# KiCad board helios-panel.kicad_pcb
title: Helios; date: 2023-08-03; rev: rev1.0; company: 0xCB; note: Conor Burns
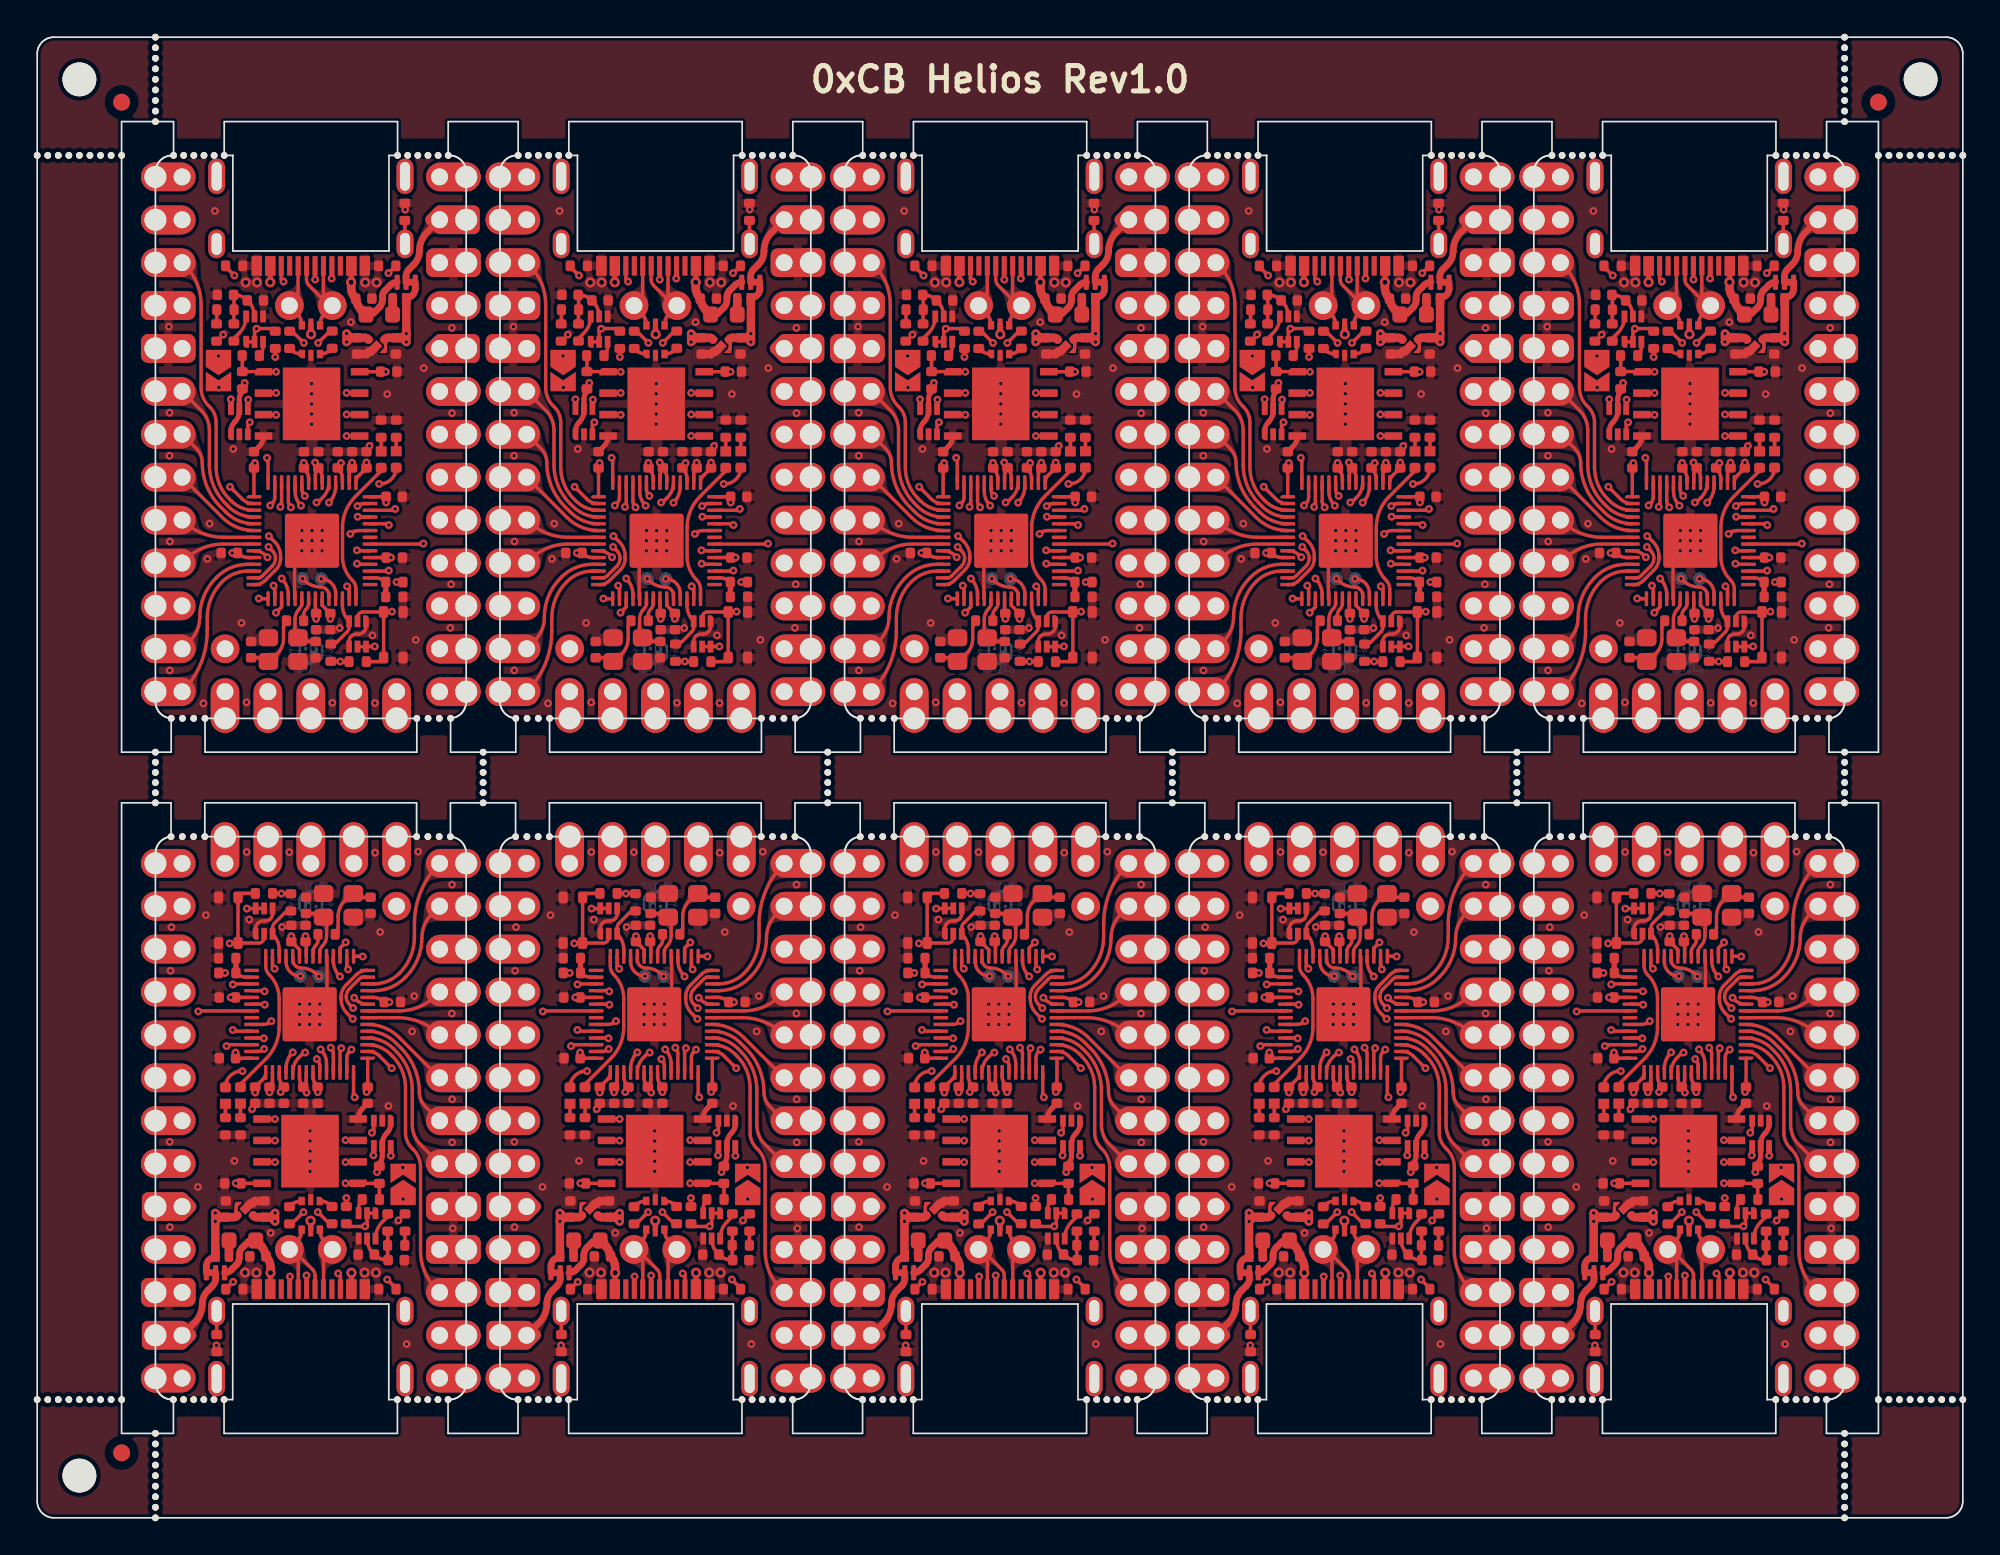
[diagram p0: board, top side]
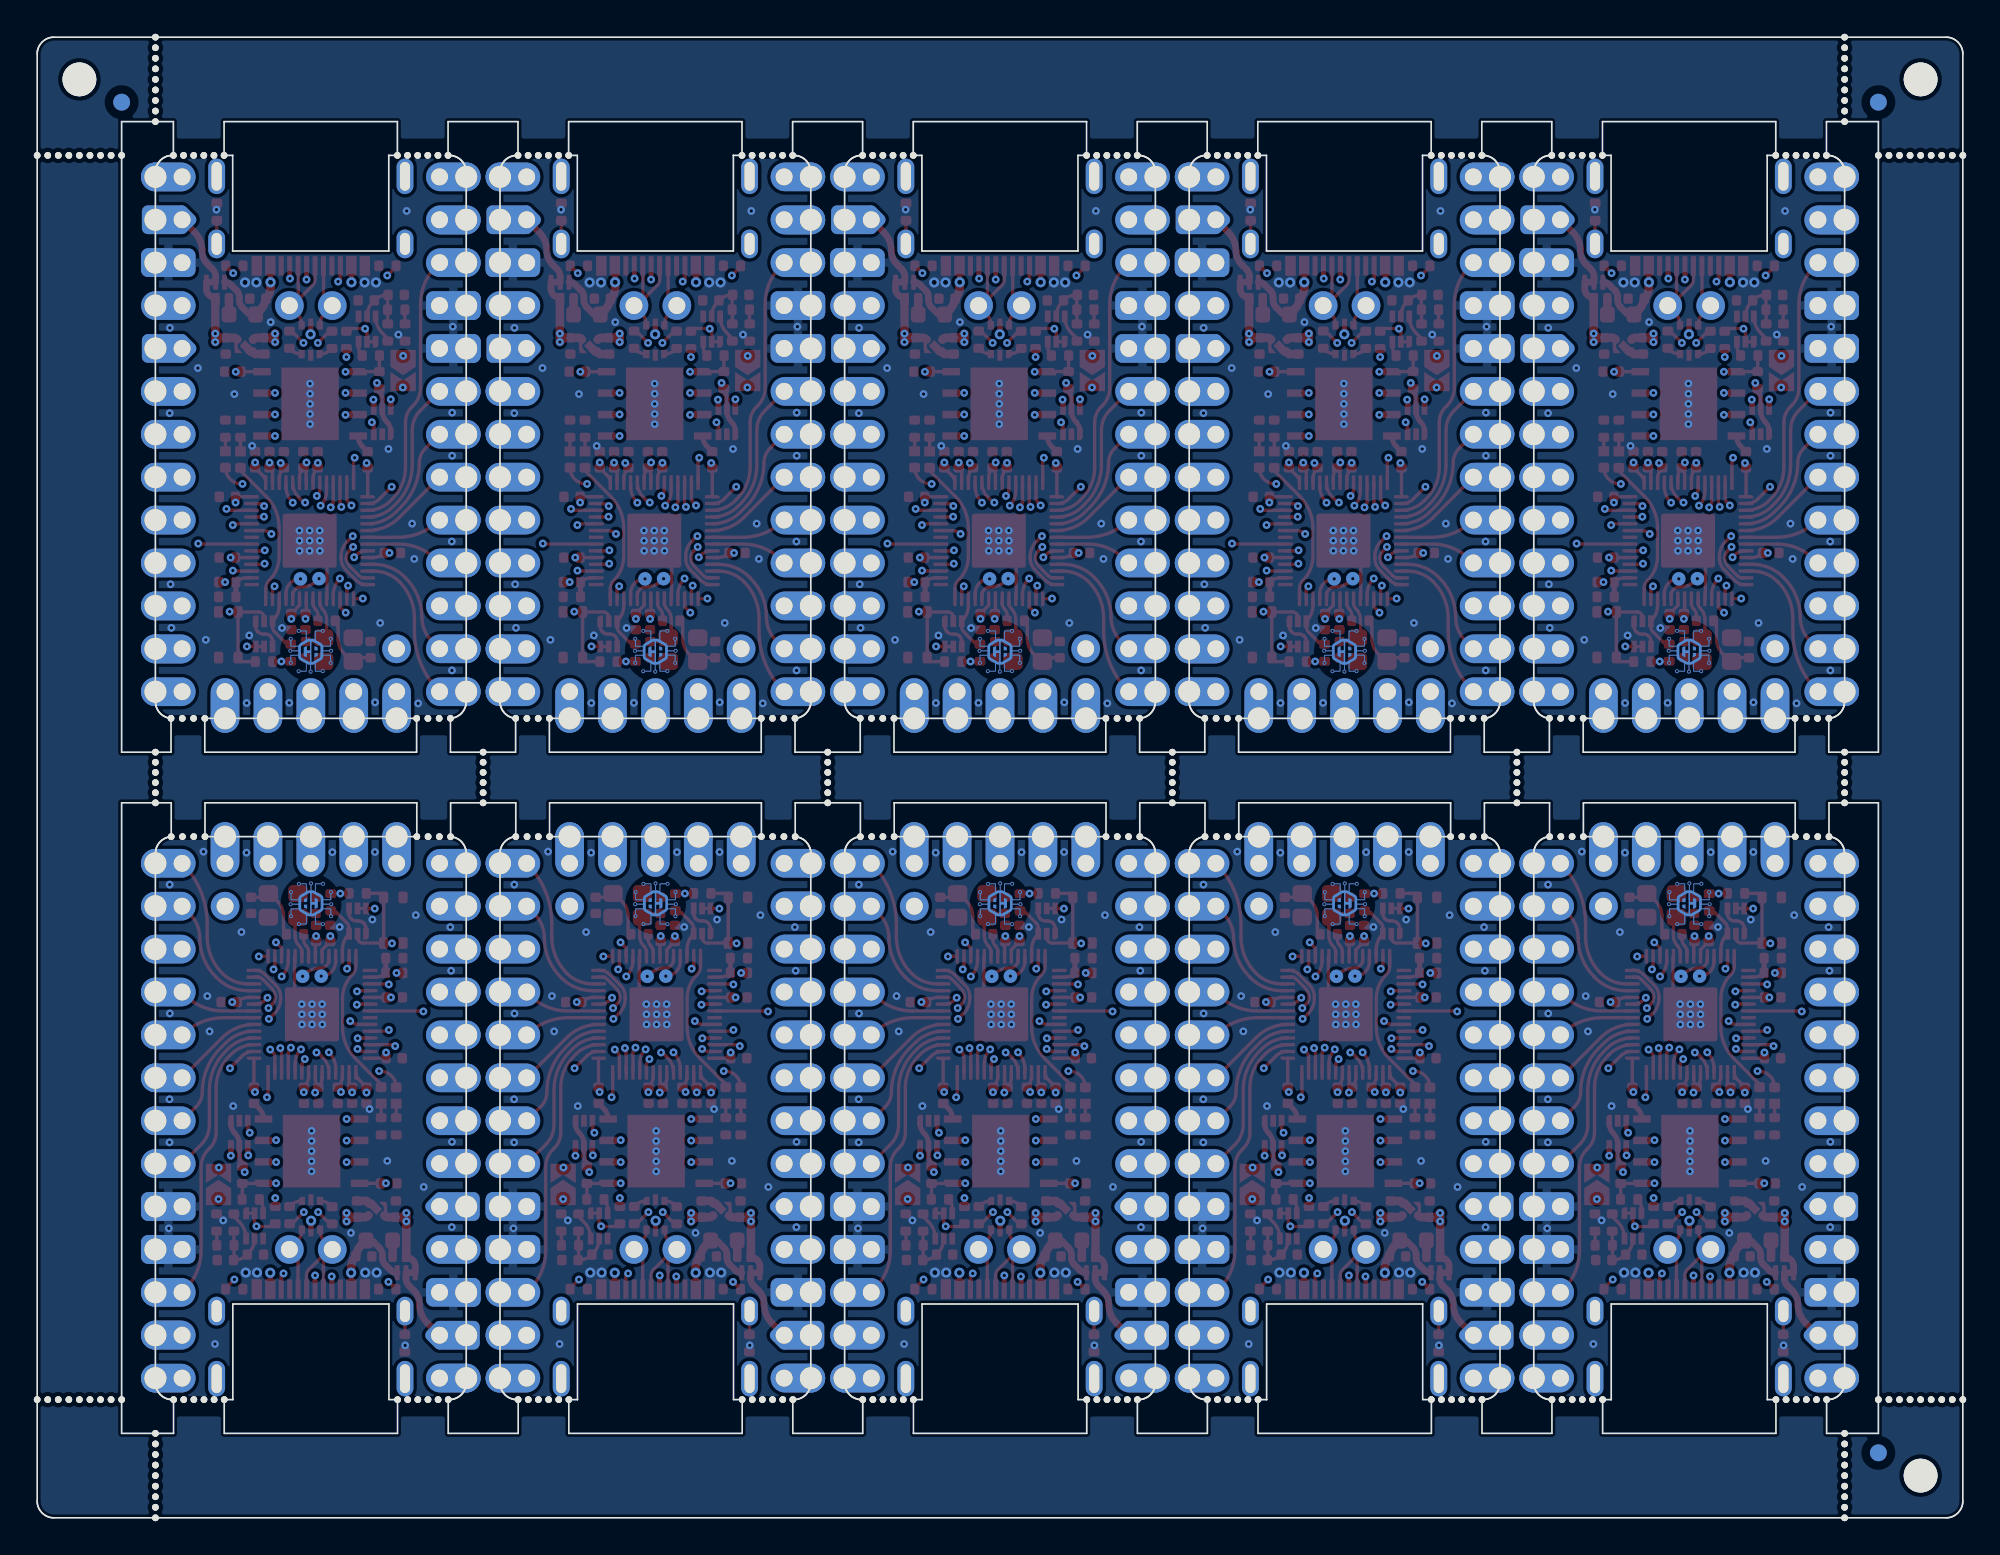
[diagram p1: board, bottom side, seen from below]

Outline 114 x 87.66 mm; copper layers: Top, In1.Cu, In2.Cu, Bottom. Coordinates in mm from the lower left corner of the outline.
Outline path: 0,86.66 0,1 0,0.9 0.02,0.8 0.04,0.71 0.08,0.62 0.12,0.53 0.17,0.44 0.23,0.37 0.29,0.29 0.37,0.23 0.44,0.17 0.53,0.12 0.62,0.08 0.71,0.04 0.8,0.02 0.9,0 1,0 113,0 113.1,0 113.2,0.02 113.29,0.04 113.38,0.08 113.47,0.12 113.56,0.17 113.63,0.23 113.71,0.29 113.77,0.37 113.83,0.44 113.88,0.53 113.92,0.62 113.96,0.71 113.98,0.8 114,0.9 114,1 114,86.66 114,86.76 113.98,86.86 113.96,86.95 113.92,87.04 113.88,87.13 113.83,87.22 113.77,87.29 113.71,87.37 113.63,87.43 113.56,87.49 113.47,87.54 113.38,87.58 113.29,87.62 113.2,87.64 113.1,87.66 113,87.66 1,87.66 0.9,87.66 0.8,87.64 0.71,87.62 0.62,87.58 0.53,87.54 0.44,87.49 0.37,87.43 0.29,87.37 0.23,87.29 0.17,87.22 0.12,87.13 0.08,87.04 0.04,86.95 0.02,86.86 0,86.76 0,86.66 ; 5,82.66 8.07,82.66 8.07,80.66 8,80.66 7.95,80.66 7.9,80.65 7.84,80.65 7.79,80.64 7.74,80.63 7.69,80.61 7.64,80.59 7.59,80.57 7.55,80.55 7.5,80.53 7.46,80.5 7.41,80.47 7.37,80.44 7.33,80.4 7.29,80.37 7.26,80.33 7.22,80.29 7.19,80.25 7.16,80.2 7.13,80.16 7.11,80.11 7.09,80.07 7.07,80.02 7.05,79.97 7.03,79.92 7.02,79.87 7.01,79.82 7.01,79.76 7,79.71 7,79.66 7,48.33 7,48.28 7.01,48.23 7.01,48.17 7.02,48.12 7.03,48.07 7.05,48.02 7.07,47.97 7.09,47.92 7.11,47.88 7.13,47.83 7.16,47.79 7.19,47.74 7.22,47.7 7.26,47.66 7.29,47.62 7.33,47.59 7.37,47.55 7.41,47.52 7.46,47.49 7.5,47.46 7.55,47.44 7.59,47.42 7.64,47.4 7.69,47.38 7.74,47.36 7.79,47.35 7.84,47.34 7.9,47.34 7.93,47.33 7.93,45.33 5,45.33 5,82.66 ; 5,42.33 7.93,42.33 7.93,40.33 7.9,40.32 7.85,40.32 7.8,40.31 7.75,40.3 7.7,40.28 7.65,40.27 7.61,40.25 7.56,40.23 7.51,40.2 7.47,40.18 7.43,40.15 7.39,40.12 7.35,40.09 7.31,40.05 7.28,40.02 7.24,39.98 7.21,39.94 7.18,39.9 7.15,39.86 7.13,39.82 7.1,39.77 7.08,39.72 7.06,39.68 7.05,39.63 7.03,39.58 7.02,39.53 7.01,39.48 7.01,39.43 7,39.38 7,39.33 7,8 7,7.95 7.01,7.9 7.01,7.85 7.02,7.8 7.03,7.75 7.05,7.7 7.06,7.65 7.08,7.61 7.1,7.56 7.13,7.51 7.15,7.47 7.18,7.43 7.21,7.39 7.24,7.35 7.28,7.31 7.31,7.28 7.35,7.24 7.39,7.21 7.43,7.18 7.47,7.15 7.51,7.13 7.56,7.1 7.61,7.08 7.65,7.06 7.7,7.05 7.75,7.03 7.8,7.02 7.85,7.01 7.9,7.01 7.95,7 8,7 8.07,7 8.07,5 5,5 5,42.33 ; 9.93,42.33 22.47,42.33 22.47,40.33 9.93,40.33 9.93,42.33 ; 9.93,47.33 22.48,47.33 22.48,45.33 9.93,45.33 9.93,47.33 ; 11.07,7 11.57,7 11.57,12.66 20.81,12.66 20.81,7 21.33,7 21.33,5 11.07,5 11.07,7 ; 11.07,82.66 21.34,82.66 21.34,80.66 20.83,80.66 20.83,75 11.59,75 11.59,80.66 11.07,80.66 11.07,82.66 ; 24.33,7 24.4,7 24.45,7 24.5,7.01 24.56,7.01 24.61,7.02 24.66,7.03 24.71,7.05 24.76,7.07 24.81,7.09 24.85,7.11 24.9,7.13 24.94,7.16 24.99,7.19 25.03,7.22 25.07,7.26 25.11,7.29 25.14,7.33 25.18,7.37 25.21,7.41 25.24,7.46 25.27,7.5 25.29,7.55 25.31,7.59 25.33,7.64 25.35,7.69 25.37,7.74 25.38,7.79 25.39,7.84 25.39,7.9 25.4,7.95 25.4,8 25.4,39.33 25.4,39.38 25.39,39.43 25.39,39.49 25.38,39.54 25.37,39.59 25.35,39.64 25.33,39.69 25.31,39.74 25.29,39.78 25.27,39.83 25.24,39.87 25.21,39.92 25.18,39.96 25.14,40 25.11,40.04 25.07,40.07 25.03,40.11 24.99,40.14 24.94,40.17 24.9,40.2 24.85,40.22 24.81,40.24 24.76,40.26 24.71,40.28 24.66,40.3 24.61,40.31 24.56,40.32 24.5,40.32 24.47,40.33 24.47,42.33 28.33,42.33 28.33,40.33 28.3,40.32 28.25,40.32 28.2,40.31 28.15,40.3 28.1,40.28 28.05,40.27 28.01,40.25 27.96,40.23 27.91,40.2 27.87,40.18 27.83,40.15 27.79,40.12 27.75,40.09 27.71,40.05 27.68,40.02 27.64,39.98 27.61,39.94 27.58,39.9 27.55,39.86 27.53,39.82 27.5,39.77 27.48,39.72 27.46,39.68 27.45,39.63 27.43,39.58 27.42,39.53 27.41,39.48 27.41,39.43 27.4,39.38 27.4,39.33 27.4,8 27.4,7.95 27.41,7.9 27.41,7.85 27.42,7.8 27.43,7.75 27.45,7.7 27.46,7.65 27.48,7.61 27.5,7.56 27.53,7.51 27.55,7.47 27.58,7.43 27.61,7.39 27.64,7.35 27.68,7.31 27.71,7.28 27.75,7.24 27.79,7.21 27.83,7.18 27.87,7.15 27.91,7.13 27.96,7.1 28.01,7.08 28.05,7.06 28.1,7.05 28.15,7.03 28.2,7.02 28.25,7.01 28.3,7.01 28.35,7 28.4,7 28.47,7 28.47,5 24.33,5 24.33,7 ; 24.34,82.66 28.48,82.66 28.48,80.66 28.4,80.66 28.35,80.66 28.3,80.65 28.24,80.65 28.19,80.64 28.14,80.63 28.09,80.61 28.04,80.59 27.99,80.57 27.95,80.55 27.9,80.53 27.86,80.5 27.81,80.47 27.77,80.44 27.73,80.4 27.69,80.37 27.66,80.33 27.62,80.29 27.59,80.25 27.56,80.2 27.53,80.16 27.51,80.11 27.49,80.07 27.47,80.02 27.45,79.97 27.43,79.92 27.42,79.87 27.41,79.82 27.41,79.76 27.4,79.71 27.4,79.66 27.4,48.33 27.4,48.28 27.41,48.23 27.41,48.17 27.42,48.12 27.43,48.07 27.45,48.02 27.47,47.97 27.49,47.92 27.51,47.88 27.53,47.83 27.56,47.79 27.59,47.74 27.62,47.7 27.66,47.66 27.69,47.62 27.73,47.59 27.77,47.55 27.81,47.52 27.86,47.49 27.9,47.46 27.95,47.44 27.99,47.42 28.04,47.4 28.09,47.38 28.14,47.36 28.19,47.35 28.24,47.34 28.3,47.34 28.34,47.33 28.34,45.33 24.48,45.33 24.48,47.33 24.5,47.34 24.55,47.34 24.6,47.35 24.65,47.36 24.7,47.38 24.75,47.39 24.79,47.41 24.84,47.43 24.89,47.46 24.93,47.48 24.97,47.51 25.01,47.54 25.05,47.57 25.09,47.61 25.12,47.64 25.16,47.68 25.19,47.72 25.22,47.76 25.25,47.8 25.27,47.84 25.3,47.89 25.32,47.94 25.34,47.98 25.35,48.03 25.37,48.08 25.38,48.13 25.39,48.18 25.39,48.23 25.4,48.28 25.4,48.33 25.4,79.66 25.4,79.71 25.39,79.76 25.39,79.81 25.38,79.86 25.37,79.91 25.35,79.96 25.34,80.01 25.32,80.05 25.3,80.1 25.27,80.15 25.25,80.19 25.22,80.23 25.19,80.27 25.16,80.31 25.12,80.35 25.09,80.38 25.05,80.42 25.01,80.45 24.97,80.48 24.93,80.51 24.89,80.53 24.84,80.56 24.79,80.58 24.75,80.6 24.7,80.61 24.65,80.63 24.6,80.64 24.55,80.65 24.5,80.65 24.45,80.66 24.4,80.66 24.34,80.66 24.34,82.66 ; 30.33,42.33 42.87,42.33 42.87,40.33 30.33,40.33 30.33,42.33 ; 30.34,47.33 42.88,47.33 42.88,45.33 30.34,45.33 30.34,47.33 ; 31.47,7 31.98,7 31.98,12.66 41.22,12.66 41.22,7 41.73,7 41.73,5 31.47,5 31.47,7 ; 31.48,82.66 41.73,82.66 41.73,80.66 41.23,80.66 41.23,75 31.98,75 31.98,80.66 31.48,80.66 31.48,82.66 ; 44.73,7 44.8,7 44.85,7 44.9,7.01 44.96,7.01 45.01,7.02 45.06,7.03 45.11,7.05 45.16,7.07 45.21,7.09 45.25,7.11 45.3,7.13 45.34,7.16 45.39,7.19 45.43,7.22 45.47,7.26 45.51,7.29 45.54,7.33 45.58,7.37 45.61,7.41 45.64,7.46 45.67,7.5 45.69,7.55 45.71,7.59 45.73,7.64 45.75,7.69 45.77,7.74 45.78,7.79 45.79,7.84 45.79,7.9 45.8,7.95 45.8,8 45.8,39.33 45.8,39.38 45.79,39.43 45.79,39.49 45.78,39.54 45.77,39.59 45.75,39.64 45.73,39.69 45.71,39.74 45.69,39.78 45.67,39.83 45.64,39.87 45.61,39.92 45.58,39.96 45.54,40 45.51,40.04 45.47,40.07 45.43,40.11 45.39,40.14 45.34,40.17 45.3,40.2 45.25,40.22 45.21,40.24 45.16,40.26 45.11,40.28 45.06,40.3 45.01,40.31 44.96,40.32 44.9,40.32 44.87,40.33 44.87,42.33 48.72,42.33 48.72,40.33 48.7,40.32 48.65,40.32 48.6,40.31 48.55,40.3 48.5,40.28 48.45,40.27 48.41,40.25 48.36,40.23 48.31,40.2 48.27,40.18 48.23,40.15 48.19,40.12 48.15,40.09 48.11,40.05 48.08,40.02 48.04,39.98 48.01,39.94 47.98,39.9 47.95,39.86 47.93,39.82 47.9,39.77 47.88,39.72 47.86,39.68 47.85,39.63 47.83,39.58 47.82,39.53 47.81,39.48 47.81,39.43 47.8,39.38 47.8,39.33 47.8,8 47.8,7.95 47.81,7.9 47.81,7.85 47.82,7.8 47.83,7.75 47.85,7.7 47.86,7.65 47.88,7.61 47.9,7.56 47.93,7.51 47.95,7.47 47.98,7.43 48.01,7.39 48.04,7.35 48.08,7.31 48.11,7.28 48.15,7.24 48.19,7.21 48.23,7.18 48.27,7.15 48.31,7.13 48.36,7.1 48.41,7.08 48.45,7.06 48.5,7.05 48.55,7.03 48.6,7.02 48.65,7.01 48.7,7.01 48.75,7 48.8,7 48.86,7 48.86,5 44.73,5 44.73,7 ; 44.73,82.66 48.88,82.66 48.88,80.66 48.8,80.66 48.75,80.66 48.7,80.65 48.64,80.65 48.59,80.64 48.54,80.63 48.49,80.61 48.44,80.59 48.39,80.57 48.35,80.55 48.3,80.53 48.26,80.5 48.21,80.47 48.17,80.44 48.13,80.4 48.09,80.37 48.06,80.33 48.02,80.29 47.99,80.25 47.96,80.2 47.93,80.16 47.91,80.11 47.89,80.07 47.87,80.02 47.85,79.97 47.83,79.92 47.82,79.87 47.81,79.82 47.81,79.76 47.8,79.71 47.8,79.66 47.8,48.33 47.8,48.28 47.81,48.23 47.81,48.17 47.82,48.12 47.83,48.07 47.85,48.02 47.87,47.97 47.89,47.92 47.91,47.88 47.93,47.83 47.96,47.79 47.99,47.74 48.02,47.7 48.06,47.66 48.09,47.62 48.13,47.59 48.17,47.55 48.21,47.52 48.26,47.49 48.3,47.46 48.35,47.44 48.39,47.42 48.44,47.4 48.49,47.38 48.54,47.36 48.59,47.35 48.64,47.34 48.7,47.34 48.73,47.33 48.73,45.33 44.88,45.33 44.88,47.33 44.9,47.34 44.95,47.34 45,47.35 45.05,47.36 45.1,47.38 45.15,47.39 45.19,47.41 45.24,47.43 45.29,47.46 45.33,47.48 45.37,47.51 45.41,47.54 45.45,47.57 45.49,47.61 45.52,47.64 45.56,47.68 45.59,47.72 45.62,47.76 45.65,47.8 45.67,47.84 45.7,47.89 45.72,47.94 45.74,47.98 45.75,48.03 45.77,48.08 45.78,48.13 45.79,48.18 45.79,48.23 45.8,48.28 45.8,48.33 45.8,79.66 45.8,79.71 45.79,79.76 45.79,79.81 45.78,79.86 45.77,79.91 45.75,79.96 45.74,80.01 45.72,80.05 45.7,80.1 45.67,80.15 45.65,80.19 45.62,80.23 45.59,80.27 45.56,80.31 45.52,80.35 45.49,80.38 45.45,80.42 45.41,80.45 45.37,80.48 45.33,80.51 45.29,80.53 45.24,80.56 45.19,80.58 45.15,80.6 45.1,80.61 45.05,80.63 45,80.64 44.95,80.65 44.9,80.65 44.85,80.66 44.8,80.66 44.73,80.66 44.73,82.66 ; 50.72,42.33 63.27,42.33 63.27,40.33 50.72,40.33 50.72,42.33 ; 50.73,47.33 63.28,47.33 63.28,45.33 50.73,45.33 50.73,47.33 ; 51.86,7 52.38,7 52.38,12.66 61.61,12.66 61.61,7 62.12,7 62.12,5 51.86,5 51.86,7 ; 51.88,82.66 62.14,82.66 62.14,80.66 61.62,80.66 61.62,75 52.39,75 52.39,80.66 51.88,80.66 51.88,82.66 ; 65.12,7 65.2,7 65.25,7 65.3,7.01 65.36,7.01 65.41,7.02 65.46,7.03 65.51,7.05 65.56,7.07 65.61,7.09 65.65,7.11 65.7,7.13 65.74,7.16 65.79,7.19 65.83,7.22 65.87,7.26 65.91,7.29 65.94,7.33 65.98,7.37 66.01,7.41 66.04,7.46 66.07,7.5 66.09,7.55 66.11,7.59 66.13,7.64 66.15,7.69 66.17,7.74 66.18,7.79 66.19,7.84 66.19,7.9 66.2,7.95 66.2,8 66.2,39.33 66.2,39.38 66.19,39.43 66.19,39.49 66.18,39.54 66.17,39.59 66.15,39.64 66.13,39.69 66.11,39.74 66.09,39.78 66.07,39.83 66.04,39.87 66.01,39.92 65.98,39.96 65.94,40 65.91,40.04 65.87,40.07 65.83,40.11 65.79,40.14 65.74,40.17 65.7,40.2 65.65,40.22 65.61,40.24 65.56,40.26 65.51,40.28 65.46,40.3 65.41,40.31 65.36,40.32 65.3,40.32 65.27,40.33 65.27,42.33 69.12,42.33 69.12,40.33 69.1,40.32 69.05,40.32 69,40.31 68.95,40.3 68.9,40.28 68.85,40.27 68.81,40.25 68.76,40.23 68.71,40.2 68.67,40.18 68.63,40.15 68.59,40.12 68.55,40.09 68.51,40.05 68.48,40.02 68.44,39.98 68.41,39.94 68.38,39.9 68.35,39.86 68.33,39.82 68.3,39.77 68.28,39.72 68.26,39.68 68.25,39.63 68.23,39.58 68.22,39.53 68.21,39.48 68.21,39.43 68.2,39.38 68.2,39.33 68.2,8 68.2,7.95 68.21,7.9 68.21,7.85 68.22,7.8 68.23,7.75 68.25,7.7 68.26,7.65 68.28,7.61 68.3,7.56 68.33,7.51 68.35,7.47 68.38,7.43 68.41,7.39 68.44,7.35 68.48,7.31 68.51,7.28 68.55,7.24 68.59,7.21 68.63,7.18 68.67,7.15 68.71,7.13 68.76,7.1 68.81,7.08 68.85,7.06 68.9,7.05 68.95,7.03 69,7.02 69.05,7.01 69.1,7.01 69.15,7 69.2,7 69.27,7 69.27,5 65.12,5 65.12,7 ; 65.14,82.66 69.28,82.66 69.28,80.66 69.2,80.66 69.15,80.66 69.1,80.65 69.04,80.65 68.99,80.64 68.94,80.63 68.89,80.61 68.84,80.59 68.79,80.57 68.75,80.55 68.7,80.53 68.66,80.5 68.61,80.47 68.57,80.44 68.53,80.4 68.49,80.37 68.46,80.33 68.42,80.29 68.39,80.25 68.36,80.2 68.33,80.16 68.31,80.11 68.29,80.07 68.27,80.02 68.25,79.97 68.23,79.92 68.22,79.87 68.21,79.82 68.21,79.76 68.2,79.71 68.2,79.66 68.2,48.33 68.2,48.28 68.21,48.23 68.21,48.17 68.22,48.12 68.23,48.07 68.25,48.02 68.27,47.97 68.29,47.92 68.31,47.88 68.33,47.83 68.36,47.79 68.39,47.74 68.42,47.7 68.46,47.66 68.49,47.62 68.53,47.59 68.57,47.55 68.61,47.52 68.66,47.49 68.7,47.46 68.75,47.44 68.79,47.42 68.84,47.4 68.89,47.38 68.94,47.36 68.99,47.35 69.04,47.34 69.1,47.34 69.14,47.33 69.14,45.33 65.28,45.33 65.28,47.33 65.3,47.34 65.35,47.34 65.4,47.35 65.45,47.36 65.5,47.38 65.55,47.39 65.59,47.41 65.64,47.43 65.69,47.46 65.73,47.48 65.77,47.51 65.81,47.54 65.85,47.57 65.89,47.61 65.92,47.64 65.96,47.68 65.99,47.72 66.02,47.76 66.05,47.8 66.07,47.84 66.1,47.89 66.12,47.94 66.14,47.98 66.15,48.03 66.17,48.08 66.18,48.13 66.19,48.18 66.19,48.23 66.2,48.28 66.2,48.33 66.2,79.66 66.2,79.71 66.19,79.76 66.19,79.81 66.18,79.86 66.17,79.91 66.15,79.96 66.14,80.01 66.12,80.05 66.1,80.1 66.07,80.15 66.05,80.19 66.02,80.23 65.99,80.27 65.96,80.31 65.92,80.35 65.89,80.38 65.85,80.42 65.81,80.45 65.77,80.48 65.73,80.51 65.69,80.53 65.64,80.56 65.59,80.58 65.55,80.6 65.5,80.61 65.45,80.63 65.4,80.64 65.35,80.65 65.3,80.65 65.25,80.66 65.2,80.66 65.14,80.66 65.14,82.66 ; 71.12,42.33 83.67,42.33 83.67,40.33 71.12,40.33 71.12,42.33 ; 71.14,47.33 83.67,47.33 83.67,45.33 71.14,45.33 71.14,47.33 ; 72.27,7 72.78,7 72.78,12.66 82.02,12.66 82.02,7 82.53,7 82.53,5 72.27,5 72.27,7 ; 72.28,82.66 82.53,82.66 82.53,80.66 82.03,80.66 82.03,75 72.78,75 72.78,80.66 72.28,80.66 72.28,82.66 ; 85.53,7 85.6,7 85.65,7 85.7,7.01 85.76,7.01 85.81,7.02 85.86,7.03 85.91,7.05 85.96,7.07 86.01,7.09 86.05,7.11 86.1,7.13 86.14,7.16 86.19,7.19 86.23,7.22 86.27,7.26 86.31,7.29 86.34,7.33 86.38,7.37 86.41,7.41 86.44,7.46 86.47,7.5 86.49,7.55 86.51,7.59 86.53,7.64 86.55,7.69 86.57,7.74 86.58,7.79 86.59,7.84 86.59,7.9 86.6,7.95 86.6,8 86.6,39.33 86.6,39.38 86.59,39.43 86.59,39.49 86.58,39.54 86.57,39.59 86.55,39.64 86.53,39.69 86.51,39.74 86.49,39.78 86.47,39.83 86.44,39.87 86.41,39.92 86.38,39.96 86.34,40 86.31,40.04 86.27,40.07 86.23,40.11 86.19,40.14 86.14,40.17 86.1,40.2 86.05,40.22 86.01,40.24 85.96,40.26 85.91,40.28 85.86,40.3 85.81,40.31 85.76,40.32 85.7,40.32 85.67,40.33 85.67,42.33 89.53,42.33 89.53,40.33 89.5,40.32 89.45,40.32 89.4,40.31 89.35,40.3 89.3,40.28 89.25,40.27 89.21,40.25 89.16,40.23 89.11,40.2 89.07,40.18 89.03,40.15 88.99,40.12 88.95,40.09 88.91,40.05 88.88,40.02 88.84,39.98 88.81,39.94 88.78,39.9 88.75,39.86 88.73,39.82 88.7,39.77 88.68,39.72 88.66,39.68 88.65,39.63 88.63,39.58 88.62,39.53 88.61,39.48 88.61,39.43 88.6,39.38 88.6,39.33 88.6,8 88.6,7.95 88.61,7.9 88.61,7.85 88.62,7.8 88.63,7.75 88.65,7.7 88.66,7.65 88.68,7.61 88.7,7.56 88.73,7.51 88.75,7.47 88.78,7.43 88.81,7.39 88.84,7.35 88.88,7.31 88.91,7.28 88.95,7.24 88.99,7.21 89.03,7.18 89.07,7.15 89.11,7.13 89.16,7.1 89.21,7.08 89.25,7.06 89.3,7.05 89.35,7.03 89.4,7.02 89.45,7.01 89.5,7.01 89.55,7 89.6,7 89.67,7 89.67,5 85.53,5 85.53,7 ; 85.53,82.66 89.67,82.66 89.67,80.66 89.6,80.66 89.55,80.66 89.5,80.65 89.44,80.65 89.39,80.64 89.34,80.63 89.29,80.61 89.24,80.59 89.19,80.57 89.15,80.55 89.1,80.53 89.06,80.5 89.01,80.47 88.97,80.44 88.93,80.4 88.89,80.37 88.86,80.33 88.82,80.29 88.79,80.25 88.76,80.2 88.73,80.16 88.71,80.11 88.69,80.07 88.67,80.02 88.65,79.97 88.63,79.92 88.62,79.87 88.61,79.82 88.61,79.76 88.6,79.71 88.6,79.66 88.6,48.33 88.6,48.28 88.61,48.23 88.61,48.17 88.62,48.12 88.63,48.07 88.65,48.02 88.67,47.97 88.69,47.92 88.71,47.88 88.73,47.83 88.76,47.79 88.79,47.74 88.82,47.7 88.86,47.66 88.89,47.62 88.93,47.59 88.97,47.55 89.01,47.52 89.06,47.49 89.1,47.46 89.15,47.44 89.19,47.42 89.24,47.4 89.29,47.38 89.34,47.36 89.39,47.35 89.44,47.34 89.5,47.34 89.53,47.33 89.53,45.33 85.67,45.33 85.67,47.33 85.7,47.34 85.75,47.34 85.8,47.35 85.85,47.36 85.9,47.38 85.95,47.39 85.99,47.41 86.04,47.43 86.09,47.46 86.13,47.48 86.17,47.51 86.21,47.54 86.25,47.57 86.29,47.61 86.32,47.64 86.36,47.68 86.39,47.72 86.42,47.76 86.45,47.8 86.47,47.84 86.5,47.89 86.52,47.94 86.54,47.98 86.55,48.03 86.57,48.08 86.58,48.13 86.59,48.18 86.59,48.23 86.6,48.28 86.6,48.33 86.6,79.66 86.6,79.71 86.59,79.76 86.59,79.81 86.58,79.86 86.57,79.91 86.55,79.96 86.54,80.01 86.52,80.05 86.5,80.1 86.47,80.15 86.45,80.19 86.42,80.23 86.39,80.27 86.36,80.31 86.32,80.35 86.29,80.38 86.25,80.42 86.21,80.45 86.17,80.48 86.13,80.51 86.09,80.53 86.04,80.56 85.99,80.58 85.95,80.6 85.9,80.61 85.85,80.63 85.8,80.64 85.75,80.65 85.7,80.65 85.65,80.66 85.6,80.66 85.53,80.66 85.53,82.66 ; 91.53,42.33 104.06,42.33 104.06,40.33 91.53,40.33 91.53,42.33 ; 91.53,47.33 104.08,47.33 104.08,45.33 91.53,45.33 91.53,47.33 ; 92.67,7 93.17,7 93.17,12.66 102.42,12.66 102.42,7 102.92,7 102.92,5 92.67,5 92.67,7 ; 92.67,82.66 102.94,82.66 102.94,80.66 102.42,80.66 102.42,75 93.19,75 93.19,80.66 92.67,80.66 92.67,82.66 ; 105.92,7 106,7 106.05,7 106.1,7.01 106.16,7.01 106.21,7.02 106.26,7.03 106.31,7.05 106.36,7.07 106.41,7.09 106.45,7.11 106.5,7.13 106.54,7.16 106.59,7.19 106.63,7.22 106.67,7.26 106.71,7.29 106.74,7.33 106.78,7.37 106.81,7.41 106.84,7.46 106.87,7.5 106.89,7.55 106.91,7.59 106.93,7.64 106.95,7.69 106.97,7.74 106.98,7.79 106.99,7.84 106.99,7.9 107,7.95 107,8 107,39.33 107,39.38 106.99,39.43 106.99,39.49 106.98,39.54 106.97,39.59 106.95,39.64 106.93,39.69 106.91,39.74 106.89,39.78 106.87,39.83 106.84,39.87 106.81,39.92 106.78,39.96 106.74,40 106.71,40.04 106.67,40.07 106.63,40.11 106.59,40.14 106.54,40.17 106.5,40.2 106.45,40.22 106.41,40.24 106.36,40.26 106.31,40.28 106.26,40.3 106.21,40.31 106.16,40.32 106.1,40.32 106.06,40.33 106.06,42.33 109,42.33 109,5 105.92,5 105.92,7 ; 105.94,82.66 109,82.66 109,45.33 106.08,45.33 106.08,47.33 106.1,47.34 106.15,47.34 106.2,47.35 106.25,47.36 106.3,47.38 106.35,47.39 106.39,47.41 106.44,47.43 106.49,47.46 106.53,47.48 106.57,47.51 106.61,47.54 106.65,47.57 106.69,47.61 106.72,47.64 106.76,47.68 106.79,47.72 106.82,47.76 106.85,47.8 106.87,47.84 106.9,47.89 106.92,47.94 106.94,47.98 106.95,48.03 106.97,48.08 106.98,48.13 106.99,48.18 106.99,48.23 107,48.28 107,48.33 107,79.66 107,79.71 106.99,79.76 106.99,79.81 106.98,79.86 106.97,79.91 106.95,79.96 106.94,80.01 106.92,80.05 106.9,80.1 106.87,80.15 106.85,80.19 106.82,80.23 106.79,80.27 106.76,80.31 106.72,80.35 106.69,80.38 106.65,80.42 106.61,80.45 106.57,80.48 106.53,80.51 106.49,80.53 106.44,80.56 106.39,80.58 106.35,80.6 106.3,80.61 106.25,80.63 106.2,80.64 106.15,80.65 106.1,80.65 106.05,80.66 106,80.66 105.94,80.66 105.94,82.66
Stack: Top 0.035mm / dielectric 0.2104mm 7628*1 er 4.5 / In1.Cu 0.0152mm / dielectric 1.065mm FR4 er 4.5 / In2.Cu 0.0152mm / dielectric 0.2104mm 7628*1 er 4.5 / Bottom 0.035mm

## Placement (name value [footprint] x y rotation side)
C1  4u7  [C_0402_1005Metric]  31.55 72.4 180 top
C1#2  4u7  [C_0402_1005Metric]  11.14 72.4 180 top
C1#3  4u7  [C_0402_1005Metric]  102.86 15.26 0 top
C1#4  4u7  [C_0402_1005Metric]  51.94 72.4 180 top
C1#5  4u7  [C_0402_1005Metric]  92.75 72.4 180 top
C1#6  4u7  [C_0402_1005Metric]  72.34 72.4 180 top
C1#7  4u7  [C_0402_1005Metric]  41.66 15.26 0 top
C1#8  4u7  [C_0402_1005Metric]  21.26 15.26 0 top
C1#9  4u7  [C_0402_1005Metric]  62.06 15.26 0 top
C1#10  4u7  [C_0402_1005Metric]  82.45 15.26 0 top
C2  10u  [C_0402_1005Metric]  94.52 72.07 0 top
C2#2  10u  [C_0402_1005Metric]  80.68 15.58 180 top
C2#3  10u  [C_0402_1005Metric]  101.08 15.58 180 top
C2#4  10u  [C_0402_1005Metric]  19.48 15.58 180 top
C2#5  10u  [C_0402_1005Metric]  39.88 15.58 180 top
C2#6  10u  [C_0402_1005Metric]  60.28 15.58 180 top
C2#7  10u  [C_0402_1005Metric]  12.92 72.07 0 top
C2#8  10u  [C_0402_1005Metric]  53.72 72.07 0 top
C2#9  10u  [C_0402_1005Metric]  33.32 72.07 0 top
C2#10  10u  [C_0402_1005Metric]  74.12 72.07 0 top
C3  10u  [C_0402_1005Metric]  33.47 15.48 180 top
C3#2  10u  [C_0402_1005Metric]  53.86 15.48 180 top
C3#3  10u  [C_0402_1005Metric]  74.27 15.48 180 top
C3#4  10u  [C_0402_1005Metric]  19.34 72.18 0 top
C3#5  10u  [C_0402_1005Metric]  94.67 15.48 180 top
C3#6  10u  [C_0402_1005Metric]  60.14 72.18 0 top
C3#7  10u  [C_0402_1005Metric]  39.73 72.18 0 top
C3#8  10u  [C_0402_1005Metric]  80.53 72.18 0 top
C3#9  10u  [C_0402_1005Metric]  13.07 15.48 180 top
C3#10  10u  [C_0402_1005Metric]  100.94 72.18 0 top
C4  10u  [C_0402_1005Metric]  11.16 18.28 90 top
C4#2  10u  [C_0402_1005Metric]  31.56 18.28 90 top
C4#3  10u  [C_0402_1005Metric]  51.97 18.28 90 top
C4#4  10u  [C_0402_1005Metric]  72.36 18.28 90 top
C4#5  10u  [C_0402_1005Metric]  92.77 18.28 90 top
C4#6  10u  [C_0402_1005Metric]  21.23 69.38 270 top
C4#7  10u  [C_0402_1005Metric]  41.63 69.38 270 top
C4#8  10u  [C_0402_1005Metric]  62.03 69.38 270 top
C4#9  10u  [C_0402_1005Metric]  82.44 69.38 270 top
C4#10  10u  [C_0402_1005Metric]  102.83 69.38 270 top
C5  10u  [C_0402_1005Metric]  33.87 18.28 90 top
C5#2  10u  [C_0402_1005Metric]  54.27 18.28 90 top
C5#3  10u  [C_0402_1005Metric]  74.67 18.28 90 top
C5#4  10u  [C_0402_1005Metric]  95.06 18.28 90 top
C5#5  10u  [C_0402_1005Metric]  18.94 69.38 270 top
C5#6  10u  [C_0402_1005Metric]  59.73 69.38 270 top
C5#7  10u  [C_0402_1005Metric]  39.34 69.38 270 top
C5#8  10u  [C_0402_1005Metric]  100.53 69.38 270 top
C5#9  10u  [C_0402_1005Metric]  80.14 69.38 270 top
C5#10  10u  [C_0402_1005Metric]  13.46 18.28 90 top
C6  100n  [C_0402_1005Metric]  52.39 19.8 180 top
C6#2  100n  [C_0402_1005Metric]  72.78 19.8 180 top
C6#3  100n  [C_0402_1005Metric]  93.19 19.8 180 top
C6#4  100n  [C_0402_1005Metric]  82.02 67.86 0 top
C6#5  100n  [C_0402_1005Metric]  102.42 67.86 0 top
C6#6  100n  [C_0402_1005Metric]  11.59 19.8 180 top
C6#7  100n  [C_0402_1005Metric]  31.98 19.8 180 top
C6#8  100n  [C_0402_1005Metric]  20.81 67.86 0 top
C6#9  100n  [C_0402_1005Metric]  41.22 67.86 0 top
C6#10  100n  [C_0402_1005Metric]  61.61 67.86 0 top
C7  15p  [C_0402_1005Metric]  36.31 36.26 270 top
C7#2  15p  [C_0402_1005Metric]  57.28 51.4 90 top
C7#3  15p  [C_0402_1005Metric]  56.72 36.26 270 top
C7#4  15p  [C_0402_1005Metric]  97.52 36.26 270 top
C7#5  15p  [C_0402_1005Metric]  77.11 36.26 270 top
C7#6  15p  [C_0402_1005Metric]  15.91 36.26 270 top
C7#7  15p  [C_0402_1005Metric]  16.48 51.4 90 top
C7#8  15p  [C_0402_1005Metric]  77.69 51.4 90 top
C7#9  15p  [C_0402_1005Metric]  36.88 51.4 90 top
C7#10  15p  [C_0402_1005Metric]  98.08 51.4 90 top
C8  15p  [C_0402_1005Metric]  60.53 36.26 90 top
C8#2  15p  [C_0402_1005Metric]  12.66 51.4 270 top
C8#3  15p  [C_0402_1005Metric]  33.06 51.4 270 top
C8#4  15p  [C_0402_1005Metric]  80.94 36.26 90 top
C8#5  15p  [C_0402_1005Metric]  53.47 51.4 270 top
C8#6  15p  [C_0402_1005Metric]  40.13 36.26 90 top
C8#7  15p  [C_0402_1005Metric]  73.86 51.4 270 top
C8#8  15p  [C_0402_1005Metric]  19.73 36.26 90 top
C8#9  15p  [C_0402_1005Metric]  94.27 51.4 270 top
C8#10  15p  [C_0402_1005Metric]  101.33 36.26 90 top
C9  1u  [C_0402_1005Metric]  59.44 62.64 270 top
C9#2  1u  [C_0402_1005Metric]  79.84 62.64 270 top
C9#3  1u  [C_0402_1005Metric]  100.25 62.64 270 top
C9#4  1u  [C_0402_1005Metric]  13.75 25.02 90 top
C9#5  1u  [C_0402_1005Metric]  34.16 25.02 90 top
C9#6  1u  [C_0402_1005Metric]  54.56 25.02 90 top
C9#7  1u  [C_0402_1005Metric]  18.65 62.64 270 top
C9#8  1u  [C_0402_1005Metric]  74.95 25.02 90 top
C9#9  1u  [C_0402_1005Metric]  39.05 62.64 270 top
C9#10  1u  [C_0402_1005Metric]  95.36 25.02 90 top
C10  1u  [C_0402_1005Metric]  14.61 25.02 90 top
C10#2  1u  [C_0402_1005Metric]  17.8 62.64 270 top
C10#3  1u  [C_0402_1005Metric]  99.39 62.64 270 top
C10#4  1u  [C_0402_1005Metric]  38.2 62.64 270 top
C10#5  1u  [C_0402_1005Metric]  35.01 25.02 90 top
C10#6  1u  [C_0402_1005Metric]  79 62.64 270 top
C10#7  1u  [C_0402_1005Metric]  58.59 62.64 270 top
C10#8  1u  [C_0402_1005Metric]  75.81 25.02 90 top
C10#9  1u  [C_0402_1005Metric]  55.41 25.02 90 top
C10#10  1u  [C_0402_1005Metric]  96.2 25.02 90 top
C11  100n  [C_0402_1005Metric]  77.72 53.06 270 top
C11#2  100n  [C_0402_1005Metric]  98.11 53.06 270 top
C11#3  100n  [C_0402_1005Metric]  16.52 53.06 270 top
C11#4  100n  [C_0402_1005Metric]  36.91 53.06 270 top
C11#5  100n  [C_0402_1005Metric]  57.31 53.06 270 top
C11#6  100n  [C_0402_1005Metric]  56.69 34.6 90 top
C11#7  100n  [C_0402_1005Metric]  77.08 34.6 90 top
C11#8  100n  [C_0402_1005Metric]  15.88 34.6 90 top
C11#9  100n  [C_0402_1005Metric]  36.28 34.6 90 top
C11#10  100n  [C_0402_1005Metric]  97.48 34.6 90 top
C12  100n  [C_0402_1005Metric]  52.06 30.81 180 top
C12#2  100n  [C_0402_1005Metric]  72.45 30.81 180 top
C12#3  100n  [C_0402_1005Metric]  92.86 30.81 180 top
C12#4  100n  [C_0402_1005Metric]  21.15 56.85 0 top
C12#5  100n  [C_0402_1005Metric]  41.55 56.85 0 top
C12#6  100n  [C_0402_1005Metric]  61.94 56.85 0 top
C12#7  100n  [C_0402_1005Metric]  82.34 56.85 0 top
C12#8  100n  [C_0402_1005Metric]  102.75 56.85 0 top
C12#9  100n  [C_0402_1005Metric]  11.25 30.81 180 top
C12#10  100n  [C_0402_1005Metric]  31.66 30.81 180 top
C13  100n  [C_0402_1005Metric]  31.66 27.21 180 top
C13#2  100n  [C_0402_1005Metric]  52.06 27.21 180 top
C13#3  100n  [C_0402_1005Metric]  72.47 27.21 180 top
C13#4  100n  [C_0402_1005Metric]  92.86 27.21 180 top
C13#5  100n  [C_0402_1005Metric]  21.13 60.45 0 top
C13#6  100n  [C_0402_1005Metric]  41.53 60.45 0 top
C13#7  100n  [C_0402_1005Metric]  61.94 60.45 0 top
C13#8  100n  [C_0402_1005Metric]  82.33 60.45 0 top
C13#9  100n  [C_0402_1005Metric]  102.73 60.45 0 top
C13#10  100n  [C_0402_1005Metric]  11.27 27.21 180 top
C14  100n  [C_0402_1005Metric]  37.05 62.64 90 top
C14#2  100n  [C_0402_1005Metric]  57.44 62.64 90 top
C14#3  100n  [C_0402_1005Metric]  77.84 62.64 90 top
C14#4  100n  [C_0402_1005Metric]  98.25 62.64 90 top
C14#5  100n  [C_0402_1005Metric]  15.76 25.02 270 top
C14#6  100n  [C_0402_1005Metric]  36.16 25.02 270 top
C14#7  100n  [C_0402_1005Metric]  56.56 25.02 270 top
C14#8  100n  [C_0402_1005Metric]  76.95 25.02 270 top
C14#9  100n  [C_0402_1005Metric]  97.36 25.02 270 top
C14#10  100n  [C_0402_1005Metric]  16.65 62.64 90 top
C15  100n  [C_0402_1005Metric]  92.97 57.12 180 top
C15#2  100n  [C_0402_1005Metric]  61.83 30.53 0 top
C15#3  100n  [C_0402_1005Metric]  52.17 57.12 180 top
C15#4  100n  [C_0402_1005Metric]  21.03 30.53 0 top
C15#5  100n  [C_0402_1005Metric]  72.57 57.12 180 top
C15#6  100n  [C_0402_1005Metric]  82.23 30.53 0 top
C15#7  100n  [C_0402_1005Metric]  41.43 30.53 0 top
C15#8  100n  [C_0402_1005Metric]  31.77 57.12 180 top
C15#9  100n  [C_0402_1005Metric]  102.63 30.53 0 top
C15#10  100n  [C_0402_1005Metric]  11.37 57.12 180 top
C16  100n  [C_0402_1005Metric]  39.97 25.02 270 top
C16#2  100n  [C_0402_1005Metric]  12.84 62.64 90 top
C16#3  100n  [C_0402_1005Metric]  33.23 62.64 90 top
C16#4  100n  [C_0402_1005Metric]  60.36 25.02 270 top
C16#5  100n  [C_0402_1005Metric]  53.64 62.64 90 top
C16#6  100n  [C_0402_1005Metric]  101.17 25.02 270 top
C16#7  100n  [C_0402_1005Metric]  80.77 25.02 270 top
C16#8  100n  [C_0402_1005Metric]  74.03 62.64 90 top
C16#9  100n  [C_0402_1005Metric]  94.44 62.64 90 top
C16#10  100n  [C_0402_1005Metric]  19.56 25.02 270 top
C17  100n  [C_0402_1005Metric]  37.01 25.02 270 top
C17#2  100n  [C_0402_1005Metric]  57.41 25.02 270 top
C17#3  100n  [C_0402_1005Metric]  98.2 25.02 270 top
C17#4  100n  [C_0402_1005Metric]  77.81 25.02 270 top
C17#5  100n  [C_0402_1005Metric]  16.6 25.02 270 top
C17#6  100n  [C_0402_1005Metric]  36.2 62.64 90 top
C17#7  100n  [C_0402_1005Metric]  15.8 62.64 90 top
C17#8  100n  [C_0402_1005Metric]  56.59 62.64 90 top
C17#9  100n  [C_0402_1005Metric]  77 62.64 90 top
C17#10  100n  [C_0402_1005Metric]  97.39 62.64 90 top
C18  100n  [C_0402_1005Metric]  19.49 62.64 90 top
C18#2  100n  [C_0402_1005Metric]  60.3 62.64 90 top
C18#3  100n  [C_0402_1005Metric]  12.91 25.02 270 top
C18#4  100n  [C_0402_1005Metric]  94.5 25.02 270 top
C18#5  100n  [C_0402_1005Metric]  74.11 25.02 270 top
C18#6  100n  [C_0402_1005Metric]  101.09 62.64 90 top
C18#7  100n  [C_0402_1005Metric]  39.9 62.64 90 top
C18#8  100n  [C_0402_1005Metric]  53.7 25.02 270 top
C18#9  100n  [C_0402_1005Metric]  80.69 62.64 90 top
C18#10  100n  [C_0402_1005Metric]  33.3 25.02 270 top
C19  100n  [C_0402_1005Metric]  55.84 34.6 90 top
C19#2  100n  [C_0402_1005Metric]  35.45 34.6 90 top
C19#3  100n  [C_0402_1005Metric]  58.16 53.06 270 top
C19#4  100n  [C_0402_1005Metric]  78.56 53.06 270 top
C19#5  100n  [C_0402_1005Metric]  98.95 53.06 270 top
C19#6  100n  [C_0402_1005Metric]  17.35 53.06 270 top
C19#7  100n  [C_0402_1005Metric]  15.05 34.6 90 top
C19#8  100n  [C_0402_1005Metric]  37.76 53.06 270 top
C19#9  100n  [C_0402_1005Metric]  76.25 34.6 90 top
C19#10  100n  [C_0402_1005Metric]  96.64 34.6 90 top
D1  Power LED  [D_0402_1005Metric]  72.34 25 90 top
D1#2  Power LED  [D_0402_1005Metric]  92.75 25 90 top
D1#3  Power LED  [D_0402_1005Metric]  41.66 62.66 270 top
D1#4  Power LED  [D_0402_1005Metric]  51.94 25 90 top
D1#5  Power LED  [D_0402_1005Metric]  62.06 62.66 270 top
D1#6  Power LED  [D_0402_1005Metric]  82.45 62.66 270 top
D1#7  Power LED  [D_0402_1005Metric]  102.86 62.66 270 top
D1#8  Power LED  [D_0402_1005Metric]  11.14 25 90 top
D1#9  Power LED  [D_0402_1005Metric]  21.26 62.66 270 top
D1#10  Power LED  [D_0402_1005Metric]  31.55 25 90 top
D2  User LED  [D_0402_1005Metric]  73.23 25.01 90 top
D2#2  User LED  [D_0402_1005Metric]  52.83 25.01 90 top
D2#3  User LED  [D_0402_1005Metric]  32.44 25.01 90 top
D2#4  User LED  [D_0402_1005Metric]  93.64 25.01 90 top
D2#5  User LED  [D_0402_1005Metric]  20.37 62.65 270 top
D2#6  User LED  [D_0402_1005Metric]  40.77 62.65 270 top
D2#7  User LED  [D_0402_1005Metric]  61.17 62.65 270 top
D2#8  User LED  [D_0402_1005Metric]  101.97 62.65 270 top
D2#9  User LED  [D_0402_1005Metric]  81.56 62.65 270 top
D2#10  User LED  [D_0402_1005Metric]  12.04 25.01 90 top
D3  PMEG2010BELD  [SOD882D]  103.05 72.16 0 top
D3#2  PMEG2010BELD  [SOD882D]  31.35 15.5 180 top
D3#3  PMEG2010BELD  [SOD882D]  10.95 15.5 180 top
D3#4  PMEG2010BELD  [SOD882D]  72.16 15.5 180 top
D3#5  PMEG2010BELD  [SOD882D]  51.75 15.5 180 top
D3#6  PMEG2010BELD  [SOD882D]  92.56 15.5 180 top
D3#7  PMEG2010BELD  [SOD882D]  21.45 72.16 0 top
D3#8  PMEG2010BELD  [SOD882D]  82.64 72.16 0 top
D3#9  PMEG2010BELD  [SOD882D]  41.84 72.16 0 top
D3#10  PMEG2010BELD  [SOD882D]  62.25 72.16 0 top
F1  500mA  [Fuse_0603_1608Metric]  20.26 71.24 0 top
F1#2  500mA  [Fuse_0603_1608Metric]  40.66 71.24 0 top
F1#3  500mA  [Fuse_0603_1608Metric]  93.75 16.42 180 top
F1#4  500mA  [Fuse_0603_1608Metric]  12.14 16.42 180 top
F1#5  500mA  [Fuse_0603_1608Metric]  32.55 16.42 180 top
F1#6  500mA  [Fuse_0603_1608Metric]  52.94 16.42 180 top
F1#7  500mA  [Fuse_0603_1608Metric]  73.34 16.42 180 top
F1#8  500mA  [Fuse_0603_1608Metric]  61.06 71.24 0 top
F1#9  500mA  [Fuse_0603_1608Metric]  81.45 71.24 0 top
F1#10  500mA  [Fuse_0603_1608Metric]  101.86 71.24 0 top
FB1  600R  [R_0402_1005Metric]  21.77 77.32 90 top
FB1#2  600R  [R_0402_1005Metric]  42.16 77.32 90 top
FB1#3  600R  [R_0402_1005Metric]  62.56 77.32 90 top
FB1#4  600R  [R_0402_1005Metric]  82.97 77.32 90 top
FB1#5  600R  [R_0402_1005Metric]  103.36 77.32 90 top
FB1#6  600R  [R_0402_1005Metric]  10.64 10.34 270 top
FB1#7  600R  [R_0402_1005Metric]  31.03 10.34 270 top
FB1#8  600R  [R_0402_1005Metric]  51.44 10.34 270 top
FB1#9  600R  [R_0402_1005Metric]  71.83 10.34 270 top
FB1#10  600R  [R_0402_1005Metric]  92.23 10.34 270 top
J1  USB_C_Receptacle_USB2.0  [GT-USB-7014C]  77.42 76.77 180 top
J1#2  USB_C_Receptacle_USB2.0  [GT-USB-7014C]  36.58 10.89 0 top
J1#3  USB_C_Receptacle_USB2.0  [GT-USB-7014C]  36.62 76.77 180 top
J1#4  USB_C_Receptacle_USB2.0  [GT-USB-7014C]  16.17 10.89 0 top
J1#5  USB_C_Receptacle_USB2.0  [GT-USB-7014C]  57.03 76.77 180 top
J1#6  USB_C_Receptacle_USB2.0  [GT-USB-7014C]  56.97 10.89 0 top
J1#7  USB_C_Receptacle_USB2.0  [GT-USB-7014C]  97.78 10.89 0 top
J1#8  USB_C_Receptacle_USB2.0  [GT-USB-7014C]  16.23 76.77 180 top
J1#9  USB_C_Receptacle_USB2.0  [GT-USB-7014C]  77.38 10.89 0 top
J1#10  USB_C_Receptacle_USB2.0  [GT-USB-7014C]  97.83 76.77 180 top
J2  helios-pinout  [helios]  36.6 62.88 0 top
J2#2  helios-pinout  [helios]  57 24.78 180 top
J2#3  helios-pinout  [helios]  97.8 24.78 180 top
J2#4  helios-pinout  [helios]  36.6 24.78 180 top
J2#5  helios-pinout  [helios]  97.8 62.88 0 top
J2#6  helios-pinout  [helios]  77.4 62.88 0 top
J2#7  helios-pinout  [helios]  16.2 62.88 0 top
J2#8  helios-pinout  [helios]  77.4 24.78 180 top
J2#9  helios-pinout  [helios]  16.2 24.78 180 top
J2#10  helios-pinout  [helios]  57 62.88 0 top
JP1  SolderJumper_2_Open  [SolderJumper-2_P1.3mm_Open_TrianglePad1.0x1.5mm]  42.06 19.74 90 top
JP1#2  SolderJumper_2_Open  [SolderJumper-2_P1.3mm_Open_TrianglePad1.0x1.5mm]  31.13 67.92 270 top
JP1#3  SolderJumper_2_Open  [SolderJumper-2_P1.3mm_Open_TrianglePad1.0x1.5mm]  10.73 67.92 270 top
JP1#4  SolderJumper_2_Open  [SolderJumper-2_P1.3mm_Open_TrianglePad1.0x1.5mm]  62.47 19.74 90 top
JP1#5  SolderJumper_2_Open  [SolderJumper-2_P1.3mm_Open_TrianglePad1.0x1.5mm]  71.94 67.92 270 top
JP1#6  SolderJumper_2_Open  [SolderJumper-2_P1.3mm_Open_TrianglePad1.0x1.5mm]  21.66 19.74 90 top
JP1#7  SolderJumper_2_Open  [SolderJumper-2_P1.3mm_Open_TrianglePad1.0x1.5mm]  51.53 67.92 270 top
JP1#8  SolderJumper_2_Open  [SolderJumper-2_P1.3mm_Open_TrianglePad1.0x1.5mm]  82.86 19.74 90 top
JP1#9  SolderJumper_2_Open  [SolderJumper-2_P1.3mm_Open_TrianglePad1.0x1.5mm]  92.33 67.92 270 top
JP1#10  SolderJumper_2_Open  [SolderJumper-2_P1.3mm_Open_TrianglePad1.0x1.5mm]  103.27 19.74 90 top
JP2  Jumper_3_Bridged12  [SolderJumper-3_P1.3mm_Bridged12_RoundedPad1.0x1.5mm_NumberLabels]  30.97 14.51 0 top
JP2#2  Jumper_3_Bridged12  [SolderJumper-3_P1.3mm_Bridged12_RoundedPad1.0x1.5mm_NumberLabels]  10.57 14.51 0 top
JP2#3  Jumper_3_Bridged12  [SolderJumper-3_P1.3mm_Bridged12_RoundedPad1.0x1.5mm_NumberLabels]  62.64 73.15 180 top
JP2#4  Jumper_3_Bridged12  [SolderJumper-3_P1.3mm_Bridged12_RoundedPad1.0x1.5mm_NumberLabels]  51.36 14.51 0 top
JP2#5  Jumper_3_Bridged12  [SolderJumper-3_P1.3mm_Bridged12_RoundedPad1.0x1.5mm_NumberLabels]  83.03 73.15 180 top
JP2#6  Jumper_3_Bridged12  [SolderJumper-3_P1.3mm_Bridged12_RoundedPad1.0x1.5mm_NumberLabels]  42.23 73.15 180 top
JP2#7  Jumper_3_Bridged12  [SolderJumper-3_P1.3mm_Bridged12_RoundedPad1.0x1.5mm_NumberLabels]  21.84 73.15 180 top
JP2#8  Jumper_3_Bridged12  [SolderJumper-3_P1.3mm_Bridged12_RoundedPad1.0x1.5mm_NumberLabels]  103.44 73.15 180 top
JP2#9  Jumper_3_Bridged12  [SolderJumper-3_P1.3mm_Bridged12_RoundedPad1.0x1.5mm_NumberLabels]  71.77 14.51 0 top
JP2#10  Jumper_3_Bridged12  [SolderJumper-3_P1.3mm_Bridged12_RoundedPad1.0x1.5mm_NumberLabels]  92.17 14.51 0 top
Q1  2N7002VC-  [SOT-563]  54.23 35.33 90 top
Q1#2  2N7002VC-  [SOT-563]  13.43 35.33 90 top
Q1#3  2N7002VC-  [SOT-563]  100.56 52.33 270 top
Q1#4  2N7002VC-  [SOT-563]  80.17 52.33 270 top
Q1#5  2N7002VC-  [SOT-563]  33.84 35.33 90 top
Q1#6  2N7002VC-  [SOT-563]  74.64 35.33 90 top
Q1#7  2N7002VC-  [SOT-563]  18.97 52.33 270 top
Q1#8  2N7002VC-  [SOT-563]  95.03 35.33 90 top
Q1#9  2N7002VC-  [SOT-563]  39.37 52.33 270 top
Q1#10  2N7002VC-  [SOT-563]  59.77 52.33 270 top
Q2  2N7002VC-  [SOT-563]  60.33 17.28 270 top
Q2#2  2N7002VC-  [SOT-563]  12.87 70.38 90 top
Q2#3  2N7002VC-  [SOT-563]  80.73 17.28 270 top
Q2#4  2N7002VC-  [SOT-563]  33.27 70.38 90 top
Q2#5  2N7002VC-  [SOT-563]  53.67 70.38 90 top
Q2#6  2N7002VC-  [SOT-563]  101.13 17.28 270 top
Q2#7  2N7002VC-  [SOT-563]  74.07 70.38 90 top
Q2#8  2N7002VC-  [SOT-563]  94.47 70.38 90 top
Q2#9  2N7002VC-  [SOT-563]  19.53 17.28 270 top
Q2#10  2N7002VC-  [SOT-563]  39.93 17.28 270 top
R1  10k  [R_0402_1005Metric]  95.03 36.97 180 top
R1#2  10k  [R_0402_1005Metric]  80.17 50.69 0 top
R1#3  10k  [R_0402_1005Metric]  100.58 50.69 0 top
R1#4  10k  [R_0402_1005Metric]  13.43 36.97 180 top
R1#5  10k  [R_0402_1005Metric]  18.98 50.69 0 top
R1#6  10k  [R_0402_1005Metric]  33.83 36.97 180 top
R1#7  10k  [R_0402_1005Metric]  39.38 50.69 0 top
R1#8  10k  [R_0402_1005Metric]  59.78 50.69 0 top
R1#9  10k  [R_0402_1005Metric]  54.22 36.97 180 top
R1#10  10k  [R_0402_1005Metric]  74.62 36.97 180 top
R2  10k  [R_0402_1005Metric]  34.49 69.74 90 top
R2#2  10k  [R_0402_1005Metric]  99.91 17.92 270 top
R2#3  10k  [R_0402_1005Metric]  14.09 69.74 90 top
R2#4  10k  [R_0402_1005Metric]  75.3 69.74 90 top
R2#5  10k  [R_0402_1005Metric]  54.89 69.74 90 top
R2#6  10k  [R_0402_1005Metric]  95.69 69.74 90 top
R2#7  10k  [R_0402_1005Metric]  18.3 17.92 270 top
R2#8  10k  [R_0402_1005Metric]  38.7 17.92 270 top
R2#9  10k  [R_0402_1005Metric]  59.11 17.92 270 top
R2#10  10k  [R_0402_1005Metric]  79.5 17.92 270 top
R3  10k  [R_0402_1005Metric]  58.19 51.22 90 top
R3#2  10k  [R_0402_1005Metric]  76.22 36.44 270 top
R3#3  10k  [R_0402_1005Metric]  98.98 51.22 90 top
R3#4  10k  [R_0402_1005Metric]  17.38 51.22 90 top
R3#5  10k  [R_0402_1005Metric]  15.02 36.44 270 top
R3#6  10k  [R_0402_1005Metric]  37.78 51.22 90 top
R3#7  10k  [R_0402_1005Metric]  35.41 36.44 270 top
R3#8  10k  [R_0402_1005Metric]  78.58 51.22 90 top
R3#9  10k  [R_0402_1005Metric]  96.61 36.44 270 top
R3#10  10k  [R_0402_1005Metric]  55.81 36.44 270 top
R4  51K  [R_0402_1005Metric]  11.64 70.17 90 top
R4#2  51K  [R_0402_1005Metric]  32.05 70.17 90 top
R4#3  51K  [R_0402_1005Metric]  52.44 70.17 90 top
R4#4  51K  [R_0402_1005Metric]  72.84 70.17 90 top
R4#5  51K  [R_0402_1005Metric]  93.25 70.17 90 top
R4#6  51K  [R_0402_1005Metric]  20.76 17.48 270 top
R4#7  51K  [R_0402_1005Metric]  41.16 17.48 270 top